# Altium PCB Power Distribution Board.PcbDoc (part 3 of 3)
Units mil, origin at the board's own origin, x right, y up, seen from the top; angles counter-clockwise.
Board outline 7086.61 x 4330.71 mil, 4 copper layers (Top Layer, L2 - GND, L3 - Power, Bottom Layer), stack 61.811 mil thick; 241 components, 181 nets, 796 pads, 516 vias.
Unrouted connection lines stored in the file: 42.
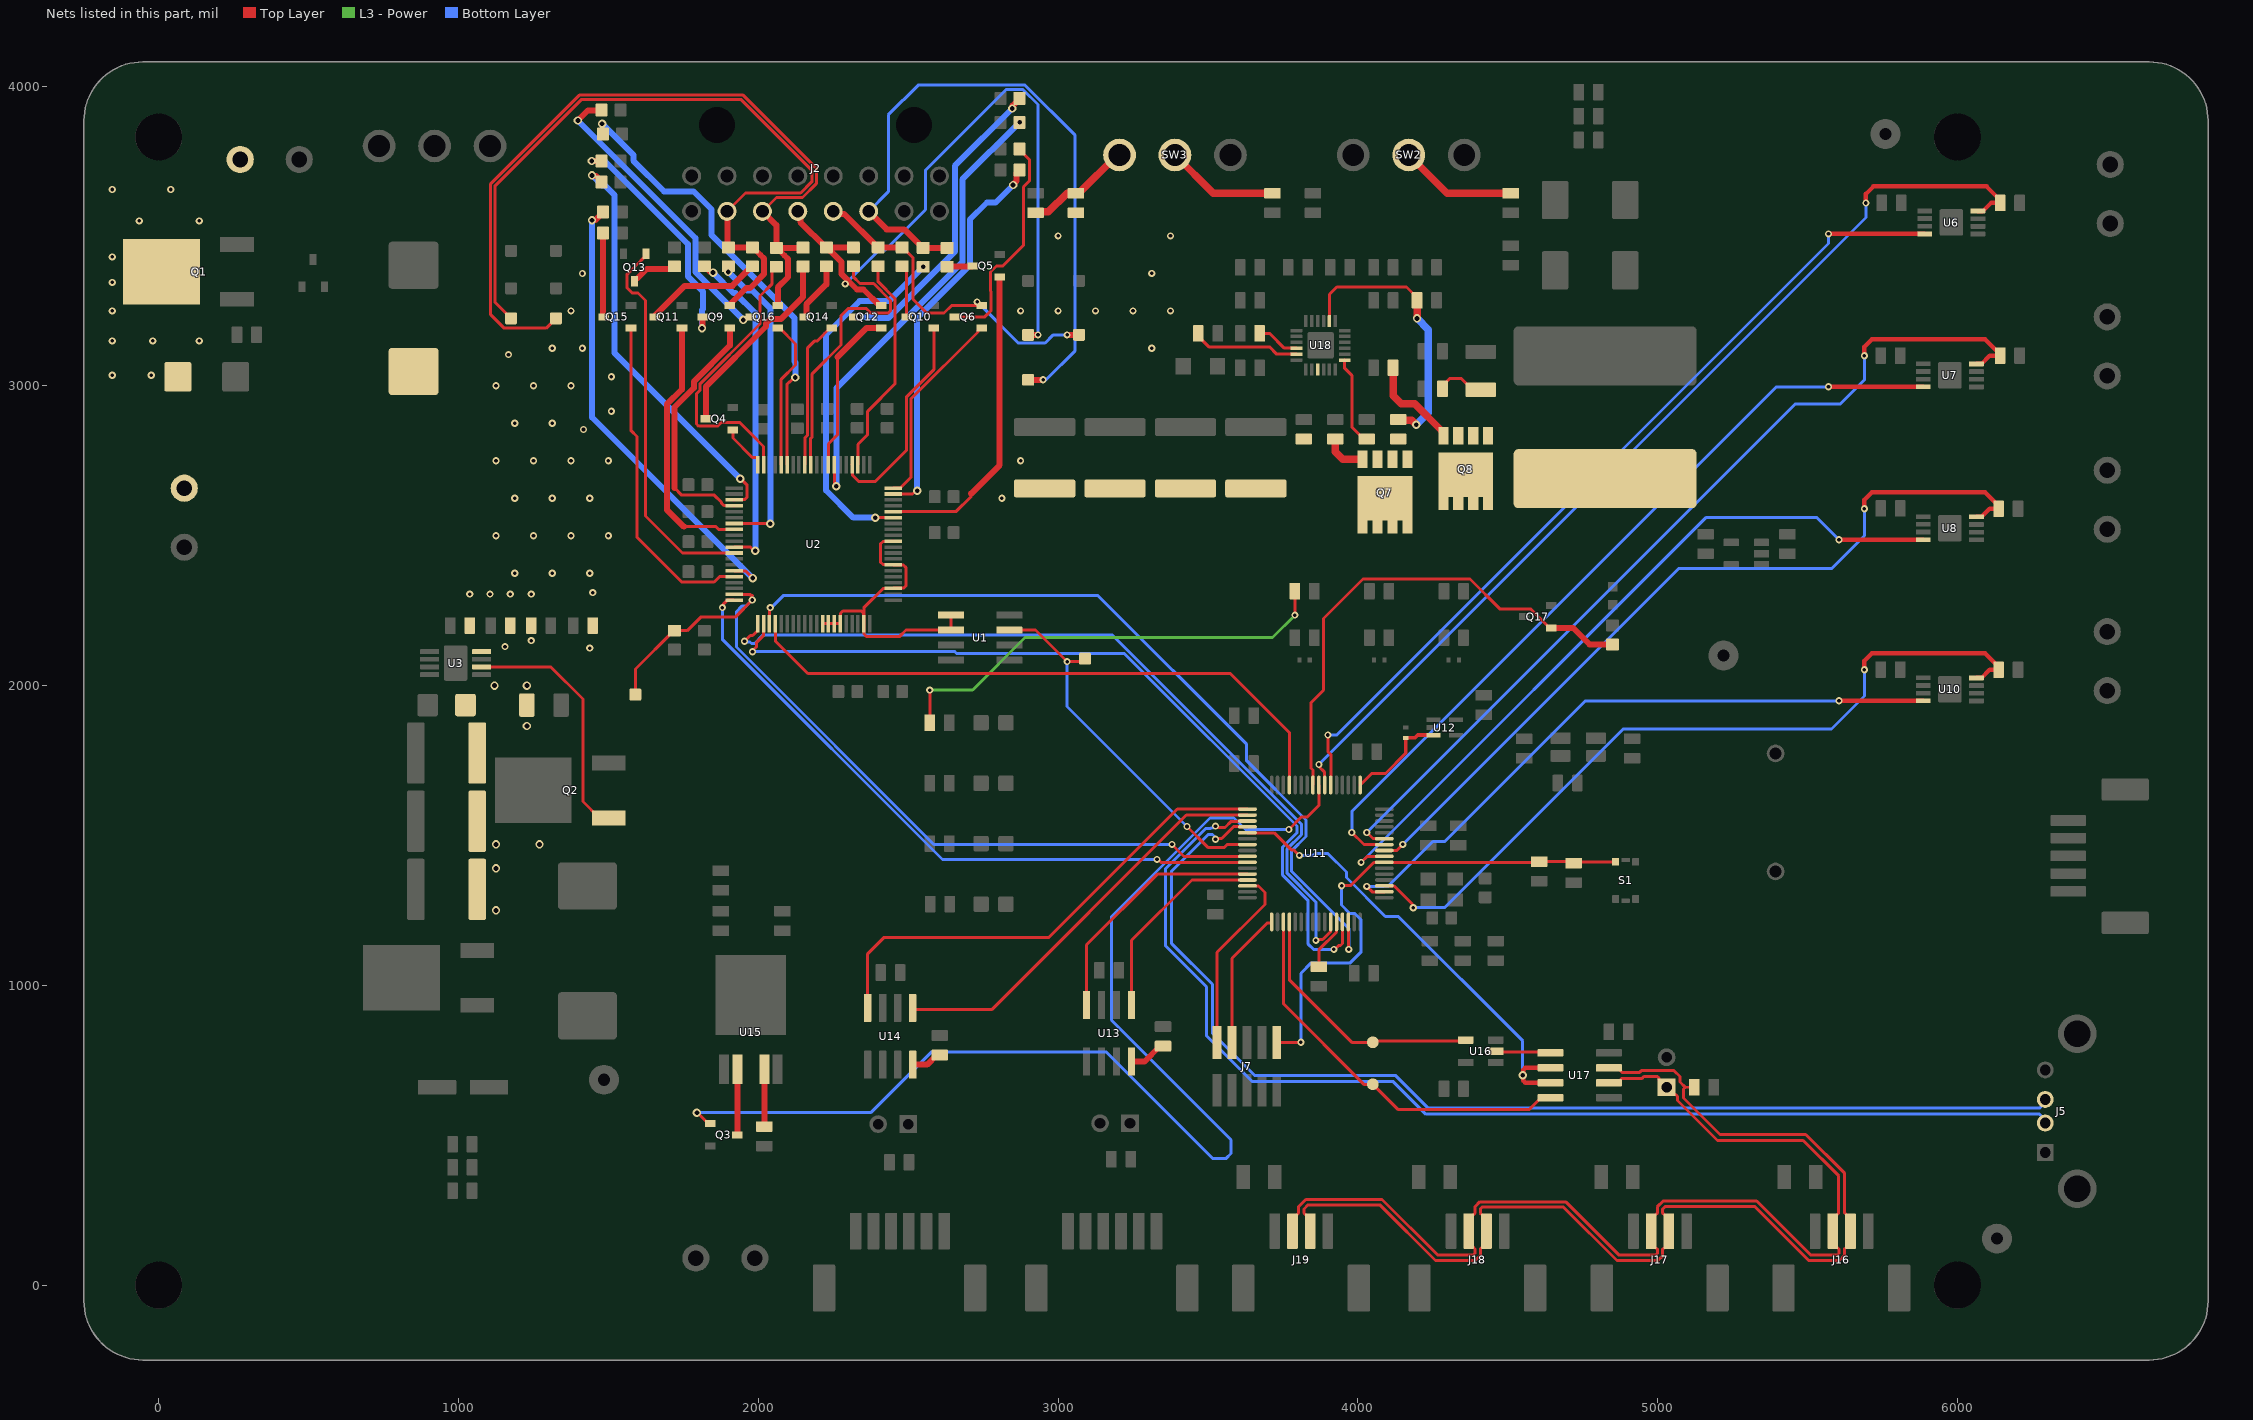
[diagram p5: the nets of this part, all layers, seen from the top]

## Via types
v1: diameter 24, hole 12, Top Layer to Bottom Layer, tented both sides, 439 vias
v2: diameter 28, hole 16, Top Layer to Bottom Layer, tented both sides, 70 vias
v3: diameter 20, hole 10, Top Layer to Bottom Layer, 6 vias
v4: diameter 16, hole 8, Top Layer to Bottom Layer, tented both sides, 1 vias

## Nets (pads, with @x,y where several pads share a name; then routed paths per layer and width w, separated by ;. In a path a pad name is that pad's centre, name@x,y a point inside that pad or via, vN(x,y) a via of type N, cw(c..) or ccw(c..) an arc to the next point about the centre after c; other vN are vias at no path point) (continued)
NetJ2_10: CL7.1 J2.10 Q9.2 R11.1 R13.1 | length 2566.9
  Top Layer w10: CL7.1@1175,3225 1122.31,3277.69 1122.31,3667.76 1409.2,3954.65 1943.13,3954.65 2178.48,3719.3 2178.48,3680.7 2141.27,3643.48 1957.26,3643.48 J2.10@1895.67,3581.89
  Top Layer w20: J2.10@1895.67,3581.89 1897.83,3579.72 1897.83,3463.78 R11.1@1900,3461.61 R13.1@1980,3461.61 1981.97,3461.61 2007.28,3436.31 2007.38,3436.31 2019.65,3424.03 2019.65,3373.21 1972.66,3326.21 1959.99,3326.21 Q9.2@1903.23,3269.45
NetJ2_11: CL8.1 J2.11 Q16.2 R2.1 R4.1 | length 2719.9
  Top Layer w10: CL8.1@1325,3225 1292.31,3192.31 1152.24,3192.31 1107.31,3237.24 1107.31,3673.98 1402.99,3969.65 1949.34,3969.65 2193.48,3725.51 2193.48,3674.49 2147.48,3628.48 2060.37,3628.48 J2.11@2013.78,3581.89
  Top Layer w20: J2.11@2013.78,3581.89 2060,3535.67 R2.1@2060,3460 2060.56,3460.56 R2.1@2061.41,3460.56 ; Q16.2@2065.28,3267.4 2065.28,3328.63 2099.65,3363 2099.65,3422.42 2087.38,3434.69 2087.28,3434.69 R2.1@2061.41,3460.56 ; R4.1@2149.64,3461.13 2149.08,3460.56 R2.1@2061.41,3460.56
NetJ2_12: CL9.1 J2.12 Q12.2 R28.1 R34.1 | length 2349.1
  Top Layer w20: J2.12@2131.89,3581.89 2140.15,3573.63 2140.15,3546.26 2224.81,3461.61 R34.1@2226.77,3461.61 ; R28.1@2316.77,3461.61 R34.1@2226.77,3461.61 ; Q12.2@2410.55,3267.4 2404.65,3267.4 2350.84,3321.21 2329.12,3321.21 2277.12,3373.21 2277.12,3413.34 2238.53,3451.93 2236.46,3451.93 R34.1@2226.77,3461.61 ; CL9.1@2900,3170 v1(2933,3170)
  Bottom Layer w10: v1(2290,3340) 2402.63,3452.63 2422.86,3452.63 2557.74,3587.51 2557.74,3719.3 2826.54,3988.11 2883.27,3988.11 2933,3938.38 v1(2933,3170)
NetJ2_13: CL10.1 J2.13 Q6.2 R10.1 R12.1 | length 1135.3
  Top Layer w10: R12.1@2480,3461.61 2481.97,3461.61 2515.35,3428.23 2515.35,3289.42 2562.17,3242.59 2619.4,3242.59 2644.21,3267.4 Q6.2@2745.28,3267.4
  Top Layer w20: J2.13@2250,3581.89 2258.26,3573.63 2286.02,3573.63 2398.03,3461.61 R10.1@2400,3461.61 R12.1@2480,3461.61 ; v1(3030,3170) CL10.1@3070,3170
  Bottom Layer w10: v1(2730,3280) 2867,3143 2956.98,3143 2983.98,3170 v1(3030,3170)
NetJ2_14: CL11.1 J2.14 R3.1 R5.1 | length 2301
  Top Layer w20: J2.14@2368.11,3581.89 2428.34,3521.66 2486.38,3521.66 2548.03,3460 R3.1@2550,3460 R5.1@2630,3460 ; CL11.1@2900,3020 v1(2950,3020)
  Bottom Layer w10: J2.14@2368.11,3581.89 2433.86,3647.64 2433.86,3903.86 2533.11,4003.11 2889.49,4003.11 3057,3835.6 3057,3117 v1@2960,3020
NetQ3_1: Q3.1 U11.24 | length 3980.1
  Top Layer w10: v2(1795,575) 1796.53,573.47 1798.74,573.47 1833.66,538.54 Q3.1@1839.57,538.54 ; v1(3770,1520) 3811.26,1561.26 3831.26,1561.26 3869.84,1599.84 U11.24@3869.84,1668.35
  Bottom Layer w10: v2(1795,575) 2374.69,575 2576.69,777 3161.18,777 3515.18,423 3561.18,423 3577,438.82 3577,484.82 3178,883.82 3178,1229.82 3506.48,1558.29 3586.71,1558.29 3625,1520 v1(3770,1520)
NetQ3_3: Q3.3 U15.2 | length 218.5
  Top Layer w20: Q3.3@1930.12,501.14 U15.2@1930.12,719.65
NetQ4_1: Q4.1 U2.60 | length 159.6
  Top Layer w10: Q4.1@1915.28,2852.6 1915.28,2825.79 1980.02,2761.04 1996.81,2761.04 1997.72,2760.14 U2.60@1997.72,2737.01
NetQ4_3: Q4.3 R4.2 | length 663.3
  Top Layer w20: Q4.3@1824.72,2890 1824.72,2997.2 2025.44,3197.91 2025.44,3207.75 2040.1,3222.41 2075.27,3222.41 2149.64,3296.79 R4.2@2149.64,3398.13
NetQ5_1: Q5.1 U2.36 | length 1052.1
  Top Layer w10: U2.36@2450,2580 2658.91,2580 2710,2631.09 2710,2640
  Top Layer w20: 2710,2640 2805.28,2735.28 Q5.1@2805.28,3362.6
NetQ5_3: Q5.3 R5.2 | length 86
  Top Layer w20: R5.2@2630,3397.01 2631.5,3398.5 2713.23,3398.5 Q5.3@2714.72,3400
NetQ6_1: Q6.1 U2.40 | length 673.2
  Top Layer w10: U2.40@2450,2658.74 2473.13,2658.74 2510,2695.61 2510,2957.32 2732.56,3179.88 2732.56,3185.79 2739.37,3192.6 Q6.1@2745.28,3192.6
NetQ6_3: Q6.3 R8.2 | length 749.5
  Top Layer w10: Q6.3@2654.72,3230 2755.79,3230 2775.99,3250.21 2775.99,3314.28 2774.56,3315.72 2774.56,3379.79 2794.76,3400 2815.79,3400 2884.44,3468.65 2884.44,3664.02 2903.95,3683.53 2903.95,3755.35 2871.26,3788.03 R8.2@2871.26,3790
NetQ7_1: Q7.1 R98.2 | length 142.9
  Top Layer w25: R98.2@3925,2822.52 3925,2780 3950.08,2754.92 Q7.1@4015,2754.92
NetQ8_1: Q8.1 R99.2 | length 322.6
  Top Layer w25: R99.2@4117.48,3060 4117.48,2967.48 4144.96,2940 4190,2940 4280.69,2849.31 4280.77,2849.31 4285,2845.08 Q8.1@4285,2833.27
NetQ8_2: Q8.2 R100.2 R102.2 | length 165.1
  Top Layer w10: R100.2@4282.48,2990 4282.48,2999.84 4305,3022.36 4305,3025 4344.45,3025 4382.44,2987.01 R102.2@4410,2987.01
NetQ9_1: Q9.1 U2.64 | length 835.9
  Top Layer w10: 1720,2659.59 1744.24,2635.35 1853.28,2635.35 1877.41,2611.22 1877.41,2608.08 1885.03,2600.46 1918.67,2600.46 U2.64@1919.45,2599.69
  Top Layer w20: 1720,2659.59 1720,2927.83 1784.72,2992.55 1784.72,3013.77 1905.28,3134.32 Q9.1@1905.28,3192.6
NetQ9_3: Q9.3 R9.2 | length 810.6
  Top Layer w20: v2(1444,3750) R9.2@1477.01,3750 ; v2(1812,3192) 1813.36,3193.36 1813.36,3228.64 Q9.3@1814.72,3230
  Bottom Layer w20: v2(1444,3750) 1488.08,3750 1765,3473.08 1765,3365 1814.72,3315.28 1814.72,3256.08 1812,3253.36 v2(1812,3192)
NetQ10_1: Q10.1 U2.44 | length 713.7
  Top Layer w10: U2.44@2312.68,2737.01 2313.46,2736.23 2313.46,2702.59 2336.07,2679.97 2389.24,2679.97 2495,2785.74 2495,2963.54 2585.28,3053.81 Q10.1@2585.28,3192.6
NetQ10_3: Q10.3 R12.2 | length 174.7
  Top Layer w10: R12.2@2480,3398.62 2494.72,3383.93 Q10.3@2494.72,3230
NetQ11_1: Q11.1 U2.68 | length 878.6
  Top Layer w10: 1751.26,2530.11 1858.52,2530.11 1867.69,2520.95 U2.68@1919.45,2520.95
  Top Layer w20: Q11.1@1745.28,3192.6 1745.28,2988.46 1695,2938.18 1695,2586.37 1751.26,2530.11
NetQ11_3: Q11.3 R13.2 | length 396.3
  Top Layer w20: Q11.3@1652.68,3232.05 1754.29,3333.66 1913.07,3333.66 1978.03,3398.62 R13.2@1980,3398.62
NetQ12_1: Q12.1 U2.48 | length 558
  Top Layer w10: U2.48@2233.94,2737.01 2233.94,2806.52 2264.65,2837.24 2264.65,3096.62
  Top Layer w20: 2264.65,3096.62 2360.63,3192.6 Q12.1@2410.55,3192.6
NetQ12_3: Q12.3 R25.2 | length 1016.9
  Top Layer w20: v2(2847.15,3925.04) 2848.68,3926.57 2848.68,3934.55 2871.26,3957.14 R25.2@2871.26,3959.11
  Bottom Layer w20: v2(2332.58,3229.51) 2383.23,3229.51 2386.26,3226.47 2434.75,3226.47 2655.93,3447.64 2655.93,3733.82 v2(2847.15,3925.04)
NetQ13_1: Q13.1 U2.72 | length 1284.1
  Top Layer w10: Q13.1@1624.8,3440 1624.8,3434.09 1590.63,3399.92 1589.96,3399.92 1562.59,3372.55 1562.59,3326.35 1579.13,3309.8 1598.82,3309.8 1624.01,3284.61 1624.01,2565.58 1747.39,2442.2 U2.72@1919.45,2442.2
NetQ13_3: Q13.3 R27.2 | length 152.5
  Top Layer w20: Q13.3@1587.4,3349.45 1587.4,3355.35 1589.21,3357.17 1595.12,3357.17 1627.95,3390 R27.2@1719.64,3390
NetQ14_1: Q14.1 U2.52 | length 501.6
  Top Layer w10: U2.52@2155.2,2737.01 2155.2,2826.28 2164.65,2835.74 2164.65,3126.87 2186.6,3148.82 2195.59,3148.82 2239.37,3192.6 Q14.1@2245.28,3192.6
NetQ14_3: Q14.3 R34.2 | length 200.5
  Top Layer w20: Q14.3@2154.72,3230 2158.21,3230 2160.02,3231.81 2160.02,3271.81 2226.77,3338.56 R34.2@2226.77,3398.62
NetQ15_1: Q15.1 U2.76 | length 1099.8
  Top Layer w10: Q15.1@1575.72,3192.6 1575.72,2849.83 1595,2830.55 1595,2494.59 1744.24,2345.35 1852.76,2345.35 1870.88,2363.46 U2.76@1919.45,2363.46
NetQ15_3: Q15.3 R35.2 | length 281.6
  Top Layer w20: R35.2@1482.08,3510 1482.08,3231.81 1483.9,3230 Q15.3@1484.72,3230
NetQ16_1: Q16.1 U2.56 | length 503.1
  Top Layer w10: Q16.1@2065.28,3192.6 2071.18,3192.6 2124,3139.78 2124,3069.06 2076.46,3021.52 U2.56@2076.46,2737.01
NetQ16_3: Q16.3 R37.2 | length 987.2
  Top Layer w20: v2(1398,3885) 1431.59,3918.59 1467.32,3918.59 1468.73,3920 R37.2@1477.01,3920
  Bottom Layer w20: v2(1398,3885) 1790,3493 1790,3380 v2(1950,3220)
NetQ17_1: Q17.1 R38.2 U11.25 | length 1686
  Top Layer w10: U11.25@3850.16,1668.35 3850.16,1718.23 3843,1725.38 3843,1941.79 3885.68,1984.46 3885.68,2224.02 4017.22,2355.56 4374.02,2355.56 4474.77,2254.81 4577.83,2254.81 4605.19,2227.44 4605.19,2226.78 4639.37,2192.6 Q17.1@4645.28,2192.6
  Top Layer w20: Q17.1@4645.28,2192.6 4717.87,2192.6 4773.46,2137.01 R38.2@4850,2137.01
NetR2_2: R2.2 U2.59 | length 960.1
  Top Layer w10: U2.59@2017.4,2737.01 2017.4,2797.82 1977.89,2837.34 1977.89,2837.9 1938.38,2877.41 1876.11,2877.41 1863.89,2865.19 1801.62,2865.19 1794.01,2872.8 1794.01,2973.55 1804.72,2984.27 1804.72,3005.48 2005.44,3206.2 2005.44,3299.95 2046.3,3340.81 2046.3,3383.31 R2.2@2060,3397.01
NetR3_2: R3.2 U2.35 | length 1199.5
  Top Layer w10: v2(2390,2560) 2390.16,2560.16 2449.84,2560.16 U2.35@2450,2560.32
  Bottom Layer w20: v2(2390,2560) 2316.91,2560 2225.99,2650.92 2225.99,3171.01 2337.7,3282.71 2435.7,3282.71 v2(2550,3397.01)
NetR6_2: R6.2 U2.39 | length 1312.7
  Top Layer w10: U2.39@2450,2639.06 2514.18,2639.06 2525.13,2650 v2(2530,2650)
  Top Layer w20: v2(2850,3670) 2850,3672.16 2861.58,3683.74 2861.58,3710.31 R6.2@2871.26,3720
  Bottom Layer w20: v2(2530,2650) 2530,3226.56 2705.93,3402.49 2705.93,3554.66 2762.83,3611.57 2791.57,3611.57 v2(2850,3670)
NetR7_2: R7.2 U2.63 | length 1382.7
  Top Layer w10: U2.63@1919.45,2619.37 1920.23,2620.15 1953.87,2620.15 1961.48,2627.76 1961.48,2670.03 1941.51,2690 v2(1940,2690)
  Top Layer w20: v2(1444.99,3702.01) 1446.52,3700.48 1458.5,3700.48 1477.01,3681.97 R7.2@1477.01,3680
  Bottom Layer w20: v2(1444.99,3702.01) 1478.17,3668.83 1488.18,3668.83 1520,3637.01 1520,3110 v2(1940,2690)
NetR10_2: R10.2 U2.43 | length 736.2
  Top Layer w10: U2.43@2332.36,2737.01 2332.36,2804.95 2364.65,2837.24 2364.65,2915.06 2456.27,3006.68 2456.27,3290.81 2400,3347.08 R10.2@2400,3398.62
NetR11_2: R11.2 U2.67 | length 1048.3
  Top Layer w10: U2.67@1919.45,2540.63 1919.76,2540.32 2039.68,2540.32 v2(2040,2540)
  Top Layer w20: v2(1900,3380) R11.2@1900,3398.62
  Bottom Layer w20: v2(1900,3380) 1961.46,3318.54 1980.08,3318.54 2040,3258.62 v2(2040,2540)
NetR20_2: R20.2 U2.47 | length 1543.3
  Top Layer w10: U2.47@2253.62,2737.01 2253.62,2676.24 2259.99,2669.87 v2(2259.99,2665)
  Top Layer w20: R20.2@2871.26,3878.83 v2(2871.85,3879.42)
  Bottom Layer w20: v2(2259.99,2665) 2259.99,2991.91 2680.93,3412.84 2680.93,3688.5 v2(2871.85,3879.42)
NetR21_1: R21.1 SW2.2 | length 405.3
  Top Layer w10: SW2.2@4190,3770 SW2.2@4198.76,3761.24
  Top Layer w25: SW2.2@4169.92,3770 4297.44,3642.48 R21.1@4510,3642.48
NetR23_1: R23.1 SW3.2 | length 377.8
  Top Layer w25: SW3.2@3390,3770 3517.52,3642.48 R23.1@3715,3642.48
NetR24_2: R24.2 U2.71 | length 1102.8
  Top Layer w10: U2.71@1919.45,2461.89 1973.24,2461.89 1985.13,2450 v2(1990,2450)
  Top Layer w20: R24.2@1820,3398.62 1821.97,3398.62 1841.44,3379.14 1847.49,3379.14 v2(1849.02,3377.61)
  Bottom Layer w20: v2(1849.02,3377.61) 1917.23,3309.41 1923.32,3309.41 1990,3242.73 v2(1990,2450)
NetR28_2: R28.2 U2.51 | length 950.4
  Top Layer w10: U2.51@2174.88,2737.01 2174.88,2824.76 2179.65,2829.53 2179.65,3039.91 2275.99,3136.25 2275.99,3233.9 2300.59,3258.51 2359.17,3258.51 2375.08,3242.59 2433.65,3242.59 2441.27,3250.21 2441.27,3284.6 2384.65,3341.21 2339.5,3341.21 2316.77,3363.93 R28.2@2316.77,3398.62
NetR29_1: R29.1 U6.8 U11.23 | length 3307.2
  Top Layer w10: v1(3870,1736.57) 3870.78,1735.78 3870.78,1729.41 3889.53,1710.66 U11.23@3889.53,1668.35
  Top Layer w15: v1(5695,3610) 5695,3640 5720,3665 6097.36,3665 6142.52,3619.84 R29.1@6142.52,3610 6112.32,3610 6085.31,3582.99 U6.8@6068.58,3582.99
  Bottom Layer w10: v1(3870,1736.57) 5695,3561.57 v1(5695,3610)
NetR30_1: R30.1 U7.8 U11.11 | length 3034
  Top Layer w10: v1(4030,1510) 4050.44,1489.56 4088,1489.56 U11.11@4088.35,1489.21
  Top Layer w15: v1(5690,3100) 5690,3130 5715,3155 6092.36,3155 6137.52,3109.84 6137.52,3100 6107.32,3100 6080.31,3072.99 U7.8@6063.58,3072.99
  Bottom Layer w10: v1(4030,1510) 5460,2940 5610,2940 5690,3020 v1(5690,3100)
NetR31_1: R31.1 U8.8 U11.9 | length 2728.2
  Top Layer w10: U11.9@4088.35,1449.84 4129.84,1449.84 v1(4150,1470)
  Top Layer w15: v1(5690,2590) 5690,2620 5715,2645 6092.36,2645 6137.52,2599.84 R31.1@6137.52,2590 6107.32,2590 6080.31,2562.99 U8.8@6063.58,2562.99
  Bottom Layer w10: v1(4150,1470) 5070,2390 5580,2390 5690,2500 v1(5690,2590)
NetR32_2: R32.2 U2.75 | length 1537.8
  Top Layer w10: U2.75@1919.45,2383.15 1920.23,2382.37 1957.63,2382.37 v2(1981.5,2358.5)
  Top Layer w20: v2(1445,3552) 1446.53,3553.53 1457.58,3553.53 1482.08,3578.03 R32.2@1482.08,3580
  Bottom Layer w20: v2(1445,3552) 1445,2895 v2(1981.5,2358.5)
NetR33_1: R33.1 U10.8 U11.3 | length 2618.6
  Top Layer w10: U11.3@4088.35,1331.73 4088.69,1331.39 4121.33,1331.39 4182.32,1270.4 4182.32,1261.54 v1(4185,1258.86)
  Top Layer w15: v1(5690,2052.5) 5690,2082.5 5715,2107.5 6092.36,2107.5 6137.52,2062.34 R33.1@6137.52,2052.5 6107.32,2052.5 6080.31,2025.49 U10.8@6063.58,2025.49
  Bottom Layer w10: v1(4185,1258.86) 4288.86,1258.86 4885,1855 5580,1855 5690,1965 v1(5690,2052.5)
NetR36_2: R36.2 U2.55 | length 1477.4
  Top Layer w10: U2.55@2096.14,2737.01 2096.14,2834.95 2095.35,2835.74 2095.35,3005.35 2103.03,3013.03 2105.18,3013.03 2119.71,3027.56 v2(2123.51,3027.56)
  Bottom Layer w20: v2(1479,3874.35) 1583.06,3770.28 1583.06,3750.94 1685.59,3648.41 1784.01,3648.41 1844.07,3588.34 1844.07,3502.63 2120,3226.7 2120,3081.56 2123.51,3078.05 v2(2123.51,3027.56)
NetR39_2: EN.1 R39.2 U2.79 U11.41 | length 2825.9
  Top Layer w10: EN.1@1590,1970 1590,2054.96 1718.03,2182.99 R39.2@1720,2182.99 1762.58,2182.99 1807.8,2228.21 1922.64,2228.21 v1(1980,2285.57) ; U2.79@1919.45,2304.41 1971.8,2304.41 1976.21,2300 1980,2300 1977.32,2297.32 v1@1977.32,2289.27 ; v1(3380,1470) 3419.84,1430.16 U11.41@3631.65,1430.16
  Bottom Layer w10: v1(1980,2285.57) 1959.21,2264.78 1945.07,2264.78 1926.96,2246.67 1926.96,2128.6 2585.56,1470 v1(3380,1470)
NetR70_1: R70.1 U11.60 | length 173.6
  Top Layer w10: R70.1@3870,1062.48 3870,1118.59 3928.55,1177.14 3928.55,1211.31 U11.60@3928.9,1211.65
NetR73_1: R73.1 U13.8 | length 126.5
  Top Layer w20: U13.8@3245,745.51 3288.15,745.51 3340.16,797.52 R73.1@3350,797.52
NetR75_1: R75.1 U14.8 | length 103.3
  Top Layer w20: U14.8@2515,735.51 2563.15,735.51 2595.16,767.52 R75.1@2605,767.52
NetR77_2: R77.2 U15.4 | length 190.9
  Top Layer w20: R77.2@2019.88,528.7 U15.4@2019.88,719.65
NetR94_1: R94.1 R95.2 SW3.3 | length 359.7
  Top Layer w25: R95.2@2925,3577.52 2927.48,3580 2967.52,3580 3030,3642.48 R94.1@3059.56,3642.48 3069.4,3642.48 3196.92,3770 SW3.3@3204.96,3770
NetTP13_1: RX.1 U11.52 U16.4 | length 842.2
  Top Layer w10: U11.52@3771.42,1183.11 3771.42,1018.58 3908.28,881.72 3980,810 RX.1@4050,810 4053.7,813.7 4355.94,813.7 U16.4@4359.65,817.4
NetTP14_1: TX.1 U11.51 U17.4 | length 1298.6
  Top Layer w10: U11.51@3751.73,1183.11 3751.73,938.27 4020,670 TX.1@4050,670 4135,585 4571.06,585 4605.25,619.19 4611.06,625 U17.4@4642.56,625
NetTP19_1: CURR.1 U1.7 U11.39 | length 1250.2
  Top Layer w10: U1.7@2837.44,2185 2925,2185 v1(3030,2080) 3080,2080 CURR.1@3090,2090 ; v1(3430,1530) 3499.71,1460.29 3554.9,1460.29 3564.14,1469.53 U11.39@3631.65,1469.53
  Bottom Layer w10: v1(3030,2080) 3030,1930 v1(3430,1530)
NetU1_1: U1.1 U1.2 U2.12 U2.13 U2.14 U2.15 U2.19 U2.23 U2.27 U2.31 | length 1082.5
  Top Layer w10: U2.12@2214.25,2206.46 U2.13@2233.94,2206.46 U2.14@2253.62,2206.46 U2.15@2273.31,2206.46 2274.09,2207.24 2274.09,2240.88 2281.7,2248.49 2343.65,2248.49 2351.27,2240.88 2351.27,2207.24 U2.19@2352.05,2206.46 ; U2.27@2449.22,2402.06 2484.42,2402.06 2492.04,2394.44 2492.04,2332.49 2484.42,2324.87 2450.78,2324.87 U2.23@2450,2324.09 2449.22,2323.32 2415.58,2323.32 2352.05,2259.78 U2.19@2352.05,2206.46 ; U2.27@2450,2402.83 2449.22,2403.61 2415.58,2403.61 2407.96,2411.23 2407.96,2473.18 2415.58,2480.8 2449.22,2480.8 U2.31@2450,2481.57 ; U1.1@2642.56,2235 U1.2@2642.56,2185 2492.64,2185 2472.06,2164.42 2360.44,2164.42 2352.83,2172.04 2352.83,2205.68 U2.19@2352.05,2206.46
NetU2_1: U2.1 U11.59 | length 2757.6
  Top Layer w10: v1(1953.96,2147.96) 1954.07,2147.96 1973.11,2167 1981.39,2167 1996.81,2182.42 1996.81,2205.55 U2.1@1997.72,2206.46 ; v1(3860,1150) 3862.68,1152.68 3882.88,1152.68 3908.87,1178.67 3908.87,1211.31 U11.59@3909.21,1211.65
  Bottom Layer w10: v1(1953.96,2147.96) 1956.64,2145.28 1971.7,2145.28 1976.99,2140 1986.99,2140 2015.18,2168.19 3181.21,2168.19 3812,1537.4 3812,1502.6 3763,1453.6 3763,1375.18 3860,1278.18 v1(3860,1150)
NetU2_2: U2.2 U11.61 | length 2818.3
  Top Layer w10: v1(1980.74,2113) 1980.74,2116.79 1994.5,2130.54 1994.5,2144.5 2016.62,2166.62 2016.62,2205.68 U2.2@2017.4,2206.46 ; v1(3920,1120) 3923.79,1120 3936.32,1132.53 3941.51,1132.53 3948.58,1139.6 U11.61@3948.58,1211.65
  Bottom Layer w10: v1(1980.74,2113) 1981.93,2114.19 2653.74,2114.19 2660.93,2107 3221.18,2107 3797,1531.18 3797,1508.82 3748,1459.82 3748,1368.97 3833,1283.97 3833,1138.82 3851.82,1120 v1(3920,1120)
NetU2_3: U2.3 U11.62 | length 2824.3
  Top Layer w10: U2.3@2037.09,2206.46 2037.87,2207.24 2037.87,2257.87 v1(2040,2260) ; U11.62@3968.27,1211.65 3968.61,1211.31 3968.61,1121.39 v1(3970,1120)
  Bottom Layer w10: v1(2040,2260) 2042.86,2260 2082.86,2300 3133.53,2300 3628,1805.53 3628,1750.46 3827,1551.46 3827,1496.39 3778,1447.39 3778,1381.59 3970,1189.59 v1(3970,1120)
NetU2_4: U2.4 U11.29 | length 2073.9
  Top Layer w10: U2.4@2056.77,2206.46 2056.77,2148.48 2165.06,2040.19 3574.4,2040.19 3771.42,1843.17 U11.29@3771.42,1668.35
NetU2_80: U2.80 U11.42 | length 2220
  Top Layer w10: v1(1880,2260) 1882.68,2262.68 1882.68,2271.08 1896.32,2284.72 U2.80@1919.45,2284.72 ; v1(3330,1420) 3333.79,1420 3343.32,1410.47 U11.42@3631.65,1410.47
  Bottom Layer w10: v1(1880,2260) 1880,2154.34 2614.34,1420 v1(3330,1420)
NetU6_4: U6.4 U11.22 | length 2873.5
  Top Layer w10: v1(3900,1835) 3900,1780 3910,1770 3910,1696 3909.56,1695.56 3909.56,1668.69 U11.22@3909.21,1668.35
  Top Layer w15: v1(5570,3506.61) U6.4@5891.42,3506.61
  Bottom Layer w10: v1(3900,1835) 3930,1835 5570,3475 v1(5570,3506.61)
NetU7_4: U7.4 U11.10 | length 2688.3
  Top Layer w10: v1(3980,1510) 4020.47,1469.53 U11.10@4088.35,1469.53
  Top Layer w15: v1(5570,2996.61) U7.4@5886.42,2996.61
  Bottom Layer w10: v1(3980,1510) 3980,1580 5396.61,2996.61 v1(5570,2996.61)
NetU8_4: U8.4 U11.8 | length 2468.2
  Top Layer w10: v1(4010.82,1410) 4030.98,1430.16 U11.8@4088.35,1430.16
  Top Layer w15: v1(5605,2486.61) U8.4@5886.42,2486.61
  Bottom Layer w10: v1(4010.82,1410) 5160.82,2560 5531.61,2560 v1(5605,2486.61)
NetU10_4: U10.4 U11.2 | length 2186.5
  Top Layer w10: v1(4030,1330) 4047.95,1312.05 U11.2@4088.35,1312.05
  Top Layer w15: v1(5605,1949.11) U10.4@5886.42,1949.11
  Bottom Layer w10: v1(4030,1330) 4100,1330 4250,1480 4290,1480 4759.11,1949.11 v1(5605,1949.11) v1@5612.83,1949.11
NetU11_33: U11.33 U14.4 | length 1647
  Top Layer w10: U14.4@2365,924.49 2365,1105 2420,1160 2970,1160 3397.86,1587.86 U11.33@3631.43,1587.86
NetU11_34: U11.34 U14.1 | length 1386.9
  Top Layer w10: U14.1@2515,924.49 2519.49,920 2780,920 3427.95,1567.95 U11.34@3631.65,1567.95
NetU11_37: U11.37 U17.2 U17.3 | length 1561.6
  Top Layer w10: U11.37@3631.65,1508.9 3721.1,1508.9 3778.12,1451.88 3785.19,1451.88 3803.56,1433.51 v1(3805,1433.51)
  Top Layer w15: U17.3@4642.56,675 4558.79,675 4552.49,681.3 4552.49,697.51 v2(4550,700) 4552.49,702.49 4552.49,718.7 4558.79,725 U17.2@4642.56,725
  Bottom Layer w10: v1(3805,1433.51) 3851.15,1433.51 3857.64,1440 3900,1440 3961.91,1378.09 3961.91,1359.91 4091.82,1230 4135,1230 4550,815 v2(4550,700)
NetU11_44: U11.44 U13.4 | length 834.9
  Top Layer w10: U13.4@3095,934.49 3095,1135 3331,1371 U11.44@3631.65,1371
NetU11_45: U11.45 U13.1 | length 657
  Top Layer w10: U13.1@3245,934.49 3245,1150 3446.42,1351.42 U11.45@3603.11,1351.42
NetU16_2: U16.2 U17.1 | length 184.3
  Top Layer w10: U16.2@4460.35,780 4462.85,777.5 4640.06,777.5 U17.1@4642.56,775
NRST: C58.2 J7.10 R71.1 S1.2 U11.7 | length 1746.9
  Top Layer w10: J7.10@3730,810 v1(3810,810) ; v1(3945.67,1332.39) 3975.67,1332.39 4053.41,1410.13 4088,1410.13 U11.7@4088.35,1410.47 4602.99,1410.47 R71.1@4605,1412.48 4717.76,1412.48 4720,1410.24 4721.69,1411.93 S1.2@4860,1411.93
  Bottom Layer w10: v1(3810,810) 3810,1040 3845,1075 3975,1075 4010,1110 4010,1220 3990,1240 3973.44,1240 3945.67,1267.76 v1(3945.67,1332.39)
PGATE: Q2.2 U3.6 | length 833.4
  Top Layer w10: U3.6@1076.61,2062.2 1307.8,2062.2 1415,1955 1415,1612.95 1469.49,1558.46 Q2.2@1500.98,1558.46
RAMP: C77.2 R103.1 U18.11 | length 930.7
  Top Layer w10: U18.11@3905.24,3215.87 3905.24,3305.24 3930,3330 4162.36,3330 4197.52,3294.84 C77.2@4197.52,3285
  Top Layer w25: R103.1@4135,2887.48 4137.48,2885 4179.19,2885 4194.19,2870 v2(4195,2870) ; v2(4197.52,3225) C77.2@4197.52,3285
  Bottom Layer w25: v2(4195,2870) 4235,2910 4235,3187.52 v2(4197.52,3225)
RES: C72.2 U18.2 | length 362
  Top Layer w10: C72.2@3467.52,3175 3467.52,3165.16 3502.68,3130 3705,3130 3729.37,3105.63 U18.2@3795,3105.63
RS-485_N: J16.3 J17.3 J18.3 J19.3 R92.2 U17.7 | length 3794.5
  Top Layer w10: J19.3@3840.94,180 3840.94,221.34 3828.23,234.06 3826.28,234.06 3820.42,239.91 3820.42,254.06 3834.09,267.73 4073.11,267.73 4258.75,82.09 4392.13,82.09 4408.53,98.49 4408.53,120.09 4414.39,125.94 4416.34,125.94 4429.06,138.66 J18.3@4429.06,180 4429.06,221.34 4416.34,234.06 4414.39,234.06 4408.53,239.91 4408.53,254.06 4414.47,260 4686.13,260 4864.29,81.84 5000.67,81.84 5017.07,98.24 5017.07,119.84 5022.93,125.7 5024.88,125.7 5037.6,138.42 J17.3@5037.6,179.75 5037.6,221.09 5024.88,233.81 5022.93,233.81 5017.07,239.67 5017.07,253.81 5025.99,262.73 5323.29,262.73 5504.17,81.84 5606.5,81.84 5622.9,98.24 5622.9,119.84 5628.76,125.7 5630.71,125.7 5643.43,138.42 5643.43,221.09 5623.9,240.62 5623.9,372.77 5494,502.67 5207.87,502.67 5086.26,624.28 5086.26,654.14 5092.12,660 ; U17.7@4837.44,725 4868.94,725 4875.75,718.19 4875.75,715.86 4881.61,710 4940.33,710 4945.8,715.47 5054.8,715.47 5074.53,695.74 5074.53,677.59 5092.12,660 ; R92.2@5122.52,660 5092.12,660
RS-485_P: H3.1 J16.2 J17.2 J18.2 J19.2 U17.6 | length 3702.1
  Top Layer w10: J19.2@3781.89,180 3781.89,221.34 3794.61,234.06 3796.56,234.06 3802.42,239.91 3802.42,261.51 3826.63,285.73 4080.56,285.73 4266.2,100.09 4384.67,100.09 4390.53,105.94 4390.53,120.09 4384.67,125.94 4382.72,125.94 4370,138.66 J18.2@4370,180 4370,221.34 4382.72,234.06 4384.67,234.06 4390.53,239.91 4390.53,261.51 4407.02,278 4693.59,278 4871.74,99.84 4993.21,99.84 4999.07,105.7 4999.07,119.84 4993.21,125.7 4991.26,125.7 4978.54,138.42 J17.2@4978.54,179.75 4978.54,221.09 4991.26,233.81 4993.21,233.81 4999.07,239.67 4999.07,261.27 5018.53,280.73 5330.74,280.73 5511.63,99.84 5599.04,99.84 5604.9,105.7 5604.9,119.84 5599.04,125.7 5597.09,125.7 5584.37,138.42 5584.37,221.09 5603.9,240.62 5603.9,364.49 5485.72,482.67 5199.58,482.67 5066.26,615.99 5066.26,629.61 5060.4,635.47 5054.53,635.47 H3.1@5030,660 5005.47,684.53 5005.47,689.61 4999.61,695.47 4954.08,695.47 4948.61,690 4881.61,690 4875.75,684.14 4875.75,681.81 4868.94,675 U17.6@4837.44,675
SS: C73.2 U18.3 | length 143.1
  Top Layer w10: C73.2@3672.48,3175 3705,3175 3754.68,3125.32 U18.3@3795,3125.32
SW: C76.1 L3.1 Q7.2 Q8.3 R103.2 U18.18 | length 301.1
  Top Layer w10: U18.18@3956.42,3085.94 3955.91,3085.94 3955,3085.04 3955,3060 3980,3035 3980,2862.68 4020.16,2822.52 C76.1@4030,2822.52
SWD_CLK: J7.4 U11.49 | length 464.8
  Top Layer w10: J7.4@3580,810 3580,1090 3697.31,1207.31 3711.53,1207.31 3712.36,1208.15 U11.49@3712.36,1211.65
SWD_IO: J7.2 U11.46 | length 605.1
  Top Layer w10: J7.2@3530,810 3530,1110 3690,1270 3690,1310 3668.27,1331.73 U11.46@3660.2,1331.73
TEMPERATURE_ADC_INPUT: D15.1 U11.17 U12.3 | length 343.4
  Top Layer w10: U11.17@4007.64,1668.35 4046.31,1707.01 4092.01,1707.01 4160,1775 ; U12.3@4251.87,1834.74 U12.3@4252.2,1834.41
  Top Layer w12: 4160,1775 4160.17,1775.17 D15.1@4160.17,1825.55 4190.55,1825.55 4200,1835 4251.61,1835 U12.3@4251.87,1834.74
USB_N: J5.2 U11.35 | length 3885.2
  Top Layer w10: v1(3525,1531.29) 3528.79,1531.29 3533.42,1526.66 3557,1526.66 3577.7,1547.36 3598.11,1547.36 3598.23,1547.49 3604,1547.49 3604.44,1547.92 3631.31,1547.92 U11.35@3631.65,1548.27
  Bottom Layer w10: v1(3525,1531.29) 3521.21,1531.29 3514.26,1524.34 3509.34,1524.34 3508.02,1523.02 3492.42,1523.02 3359.14,1389.74 3359.14,1130.86 3495,995 3495,831.72 3646.72,680 4116.72,680 4226.72,570 6273.94,570 J5.2@6303.31,540.63
USB_P: J5.3 U11.36 | length 3832.3
  Top Layer w10: v1(3525,1487.29) 3527.68,1489.97 3545.77,1489.97 3585.16,1529.36 3604,1529.36 3604.44,1528.93 3631.31,1528.93 U11.36@3631.65,1528.58
  Bottom Layer w10: v1(3525,1487.29) 3525,1493.06 3515.04,1503.02 3500.7,1503.02 3379.14,1381.46 3379.14,1139.14 3515,1003.28 3515,840 3655,700 4125,700 4235,590 6273.94,590 J5.3@6303.31,619.37
VBAT: D1.2 J1.2 Q1.1
  other v1: -155,3035 -25,3035 -155,3150 -20,3150 135,3150 -155,3250 -155,3345 -155,3430 -65,3550 135,3550 -155,3655 40,3655
VBAT_FUSED: C27.2 C29.2 C30.2 C31.2 C32.2 C33.2 C65.2 C66.2 C67.2 C68.2 C69.2 F1.2 J15.1 Q7.3 R14.2 R15.2 R18.2 R87.2 R93.2 R94.2 U3.8 U18.22 | length 1510.5
  Top Layer w10: R93.2@2572.07,1876 v1(2572.07,1985) ; v1(3790,2235) R87.2@3790,2315
  L3 - Power w10: v1(2572.07,1985) 2715,1985 2890,2160 3715,2160 v1(3790,2235)
  other v1: 1437.5,2125 1155,2130 1242.52,2150 1037.48,2305 1105,2305 1172.48,2305 1242.52,2305 1447.48,2310 1187.5,2375 1312.5,2375 1437.5,2375 1125,2500 1250,2500 1375,2500 1500,2500 1187.5,2625 1312.5,2625 1437.5,2625 2812.5,2625 1125,2750 1250,2750 1375,2750 1500,2750 2875,2750 1416.76,2854.26 1187.5,2875 1312.5,2875 1510,2915 1125,3000 1250,3000 1375,3000 1510,3030 1166.76,3104.26 1312.5,3125 1413,3125 3312.5,3125 1375,3250 2875,3250 3000,3250 3125,3250 3250,3250 3375,3250 1413,3374.82 3312.5,3375 3000,3500 3375,3500
  other v2: 1125,1250 1125,1390 1125,1470 1270,1470 1227.91,1865 1120,2000 1227.91,2000
pads on no net: D2.2 D9.3 J2.7 J2.8 J2.15 J2.16 J2.MH1 J2.MH2 J7.7 J7.9 MH1.0 MH2.0 MH3.0 MH4.0 S1.3 S1.4 S1.5 S1.6 SW2.3 SW4.3 U2.7 U2.8 U2.9 U2.10 U2.16 U2.17 U2.18 U2.20 U2.21 U2.22 U2.24 U2.25 U2.26 U2.28 U2.29 U2.30 U2.32 U11.4 U11.26 U11.28 U11.38 U11.40 U11.43 U11.53 U11.54 U13.5 U14.5 U16.1 U18.7 U18.10

## Polygon pours and split planes (outlines as drawn)
GND on Top Layer "Signal-GND_L01_P13" (solid, remove dead copper, pour order 54): 1790,2450 1645,2450 1645,1315 2590,1315 2590,1180 2980,1180 3260,1460 3260,1950 4950,1950 4950,2410 5380,2410 5380,2450 5310,2450 5310,2550 5400,2550 5400,3460 5180,3460 5180,2660 4700,2660 4120,2660 4120,2880 4120,3075 4480,3075 4480,3280 4765,3280 4765,4080 -250,4080 -250,2950 680,2950 680,3510 3460,3510 3460,3150 3370,3060 2580,3060 2580,2765 2210,2765 1790,2765
GND on Top Layer "Signal-GND_L01_P14" (solid, remove dead copper, pour order 53): 1010,1014.02 1154.02,1014.02 1155,1015 1155,855 1010,855 1010,620 1010,240 1659.8,240 1660,239.8 1660,-100 1900,-100 1900,610 2160,610 2160,469.8 3530,469.8 3530,270 6260,270 6260,4080 6840,4080 6840,-250 440,-250 -10,-250 -250,-250 -250,2540 1010,2540 1010,1749.14 1010.86,1750 1225,1750 1225,1445 1010,1445
5V on Top Layer "5V_L01_P05" (solid, remove dead copper, pour order 52): 5180,3280 5180,2900 4500,2900 4500,3280 4760,3280 4770,3280 4770,4090 6250,4090 6250,280 3530,280 3530,490 4510,490 4510,930 5310,930 5310,2410 5380,2410 5380,2450 5310,2450 5310,2560 5400,2560 5400,3280
5V_LOAD4 on Top Layer "5V_LOAD4_L01_P04" (solid, remove dead copper, pour order 50): 6640,1851.57 6640,2071.57 6250,2071.57 6193.43,2015 6020,2015 6020,1935 6186.57,1935 6270,1851.57
5V_LOAD3 on Top Layer "5V_LOAD3_L01_P03" (solid, remove dead copper, pour order 49): 6640,2390 6640,2610 6250,2610 6190.2,2550.2 6025,2550.2 6025,2470 6190,2470 6270,2390
5V_LOAD2 on Top Layer "5V_LOAD2_L01_P02" (solid, remove dead copper, pour order 47): 6640,2901.57 6640,3121.57 6250,3121.57 6188.43,3060 6025,3060 6025,2985 6186.57,2985 6270,2901.57
5V_LOAD1 on Top Layer "5V_LOAD1_L01_P01" (solid, remove dead copper, pour order 46): 6650,3410 6650,3630 6260,3630 6200.2,3570.2 6030,3570.2 6030,3492.91 6197.09,3492.91 6280,3410
17V_LOAD on Top Layer "17V_LOAD_L01_P09" (solid, remove dead copper, pour order 45): 1660,1400 2170,1400 2170,610 1900,610 1900,-100 1660,-100 1660,90 1660,720
17V on Top Layer "17V_L01_P11" (solid, remove dead copper, pour order 30): 1020,855 1155,855 1155,1015 1020,1015 1020,1310 2430,1310 2430,1770 2590,1770 2590,1440 2590,820 1670,820 1670,250 1020,250
3V3 on Top Layer "3V3_L01_P07" (solid, remove dead copper, pour order 29): 2170,1180 2590,1180 2980,1180 3260,1460 3260,1950 4950,1950 4950,2490 5300,2490 5300,920 4500,920 4500,480 2170,480
VBAT_FUSED on Top Layer "VBAT_FUSED_L01_P08" (solid, remove dead copper, pour order 25): 690,2935 -220,2935 -220,2545 1010,2545 1010,2470 1010,1180 1630,1180 1630,2455 1792.03,2455 1792.03,2760 2210,2760 2210,2310 2580,2310 2580,2500 4195,2500 4195,2705 3875,2705 3875,3075 3855,3075 3855,2860 3780,2860 3780,2820 2580,2820 2580,3060 3370,3060 3460,3150 3460,3600 1240,3600 1240,3210 690,3210
NetD2_3 on Top Layer "FUSE_L01_P25" (solid, pour order 23): 170,3524.8 1024.8,3524.8 1025,3525 1025,3225 170,3225
NetD9_2 on Top Layer "17V_LOOP_L01_P25" (solid, pour order 18): 1640,1860 1640,1220 1340,1220 1180,1060 960,1060 960,1180 1120,1180 1280,1340 1280,1420 1400,1540 1400,1820 1440,1860
NetQ8_2 on Top Layer "RSENSE_L01_P22" (solid, pour order 16): 4275,2880 4360,2880 4360,3010 4480,3010 4480,2795 4275,2795
SW on Top Layer "SW_L01_P23" (solid, pour order 14): 4000,2845 4220,2845 4220,2800 4500,2800 4500,2890 5180,2890 5180,2580 4190,2580 4190,2705 4035,2705 4035,2785 4000,2785
VBAT on Top Layer "VBAT_L01_P10" (solid, remove dead copper, pour order 24): 355,3535 165,3535 165,2950 -250,2950 -250,4080.71 355,4080.71
VBAT_FUSED on L3 - Power "VBAT_FUSED_L03_P16" (solid, remove dead copper, pour order 28): 0,-250 -240,-10 -249.92,0 -249.92,2920 1030,2920 1030,4080 3840,4080 3840,2810 2920.22,2810 2920,1360 2160,1360 2160,260 6280,260 6280,480 6840,480 6840,-250
3V3 on L3 - Power "3v3_L03_P17" (solid, remove dead copper, pour order 38): 5250,4080 3840,4080 3840,2810 2920.22,2810 2920,2809.78 2920,1360 2160,1360 2160,260 3520,260 3520,480 4500,480 4500,920 5780,920 5780,3640 5250,3640 5250,4080
5V on L3 - Power "5V_L03_P18" (solid, remove dead copper, pour order 35): 5780,3640 5250,3640 5250,4080 5780,4080 6840,4080 6840,480 6270,480 6270,260 3520,260 3520,480 4500,480 4500,920 5780,920
VBAT on L3 - Power "VBAT_L03_P19" (solid, remove dead copper, pour order 42): 1030,2930 -250,2930 -250,4080 1030,4080
GND on L2 - GND "GND_L02_P15" (solid, remove dead copper, pour order 32): -250,4090 -250,-250 6850,-250 6850,4090
GND on Bottom Layer "GND_L04_P20" (solid, remove dead copper, pour order 33): -250,4090 -250,-240 6840,-240 6850,-250 6850,4090

## Keep-outs
Keep-Out Layer:
  lines w47.24: -250,-53.07 -250,3883.86 -249.92,3883.86 cw(c-53.07,3883.86) -53.07,4080.71 ; -249.92,-53.07 ccw(c-53.07,-53.07) -53.07,-249.92 -53.07,-250 6639.76,-250 6639.76,-249.92 ccw(c6639.76,-53.07) 6836.61,-53.07 ; -53.07,4080.71 6639.76,4080.71 cw(c6639.76,3883.86) 6836.61,3883.86 ; -53.07,4080.71 -53.07,4080.71 ; 6836.61,-53.07 6836.61,-53.07 ; 6836.61,-53.07 6836.61,3883.86 ; 6836.61,3883.86 6836.61,3883.86

## Other copper
Top Layer:
  pour cut-out: 4360,3075 4360,3155 4170,3155 4170,3075
  pour cut-out: 2415,785 2465,785 2465,701.06 2452,688.06 2428,688.06 2415,701.06
  pour cut-out: 3145,795 3195,795 3195,711.06 3182,698.06 3158,698.06 3145,711.06
  pour cut-out: 3645,1315 3732.05,1227.95 3732.05,1172.05 3680,1120 3680,870 3690,860 3745,860 3745,595 3565,595 3565,750 3560,755 3515,755 3515,850 3520,855 3520,1190
  pour cut-out: 3195,1039.76 3195,885 3245,885 3245,1042.24 3197.48,1042.24
  pour cut-out: 3825,965 3995,795 4505,795 4505,915 4497.17,922.83 4177.17,922.83 4035,1065 3825,1065
  pour cut-out: 3732.05,1172.05 3680,1120 3680,870 3690,860 3830,860 4020,670 4050,670 4050,810 3980,810 3771.42,1018.58 3771.42,1211.65 3732.05,1211.65
  pour cut-out: 3245,1150 3215,1180 3040,1180 3427.95,1567.95 3631.65,1567.95 3631.65,1371.1 3465,1371.1 3465,1370
  pour cut-out: 3810,1639.78 3629.65,1640.35 3560,1710 3560,1955 3715,1955 3810,1860
  pour cut-out: 4110,1165 4110,950 4020,950 4020,1255
  pour cut-out: 4055,1300 4055,1270 4150,1175 4150,1081.63 4191.63,1040 4560,1040 4560,1190 4220,1190 4220,1200 4120,1300
  pour cut-out: 4110,1550 4195,1635 4425,1635 4425,1190 4110,1190
  pour cut-out: 3446.42,1351.42 3285,1190 3610,1190 3690,1270 3690,1310 3648.58,1351.42

## Silkscreen, mask and mechanical layers (free items; w line width, h text height)
Top Overlay:
  drawing of 159 lines, arcs and shapes, not listed
  text "VBAT IN" at 356.84,4017.04 h80 r180
  text "GND" at 559.42,4017.04 h80 r180
  text "BMS" at 1007,3962.96 h80
  text "5V" at 3542,3947.96 h80
  text "17V" at 4337,3947.35 h80
  text "GND" at 6782.91,3662.45 h80 r90
  text "OFF" at 680,3590.96 h80
  text "ON" at 1058.78,3590.96 h80
  text "OFF" at 3155,3550.96 h80
  text "ON" at 3526,3550.96 h80
  text "OFF" at 3930,3550.96 h80
  text "ON" at 4311,3550.96 h80
  text "5V" at 6782.48,3499.45 h80 r90
  text "GND" at 6782.91,3154.02 h80 r90
  text "5V" at 6782.48,2991.03 h80 r90
  text "VBAT OUT" at -186.08,2921.84 h80 r270
  text "GND" at 6782.91,2642.45 h80 r90
  text "GND" at -187.04,2514.42 h80 r270
  text "5V" at 6782.48,2479.45 h80 r90
  text "LOW BAT" at 4662,2402.96 h80
  text "GND" at 6782.91,2104.02 h80 r90
  text "5V" at 6782.48,1941.03 h80 r90
  text "VBAT" at 2901.55,1850.4 h80
  text "17V" at 2901.55,1648.58 h80
  text "5V" at 2901.55,1447.54 h80
  text "3.3V" at 2901.55,1245.73 h80
  text "LED MATRIX" at 6783,1215.18 h80 r90
  text "RESET" at 4712,1127.96 h80
  text "POWER DISTRIBUTION BOARD / REV 3 / JANUARY 2021 / FARRIS MATAR / ARI WASCH" at 5265,440 h82
  text "17V" at 1730.8,-202.22 h80
  text "GND" at 1912.45,-202.04 h80
  text "CAN 2" at 2367.57,-212.11 h80
  text "CAN 1" at 3079.7,-212.11 h80
  text "US #1" at 3719.43,-212.06 h80
  text "US #2" at 4303.51,-212.06 h80
  text "US #3" at 4911.78,-212.06 h80
  text "US #4" at 5516.9,-212.06 h80
Bottom Overlay:
  drawing of 1775 lines, arcs and shapes, not listed
Mechanical 1:
  lines w10: -250,-63.07 -250,3873.86 ; -249.92,-53.07 ccw(c-53.07,-53.07) -53.07,-249.92 ; -249.92,3883.86 cw(c-53.07,3883.86) -53.07,4080.71 6639.76,4080.71 cw(c6639.76,3883.86) 6836.61,3883.86 6836.61,-53.07 cw(c6639.76,-53.07) 6639.76,-249.92 ; -53.07,-250 6639.76,-250

## Text inside footprints (layer, text, board x,y; h text height)
J5: Mechanical 13 "PCB EDGE" at 6793.7,873.31 h32 r90